# Altium PCB PCB.PcbDoc (part 2 of 10) (continued)
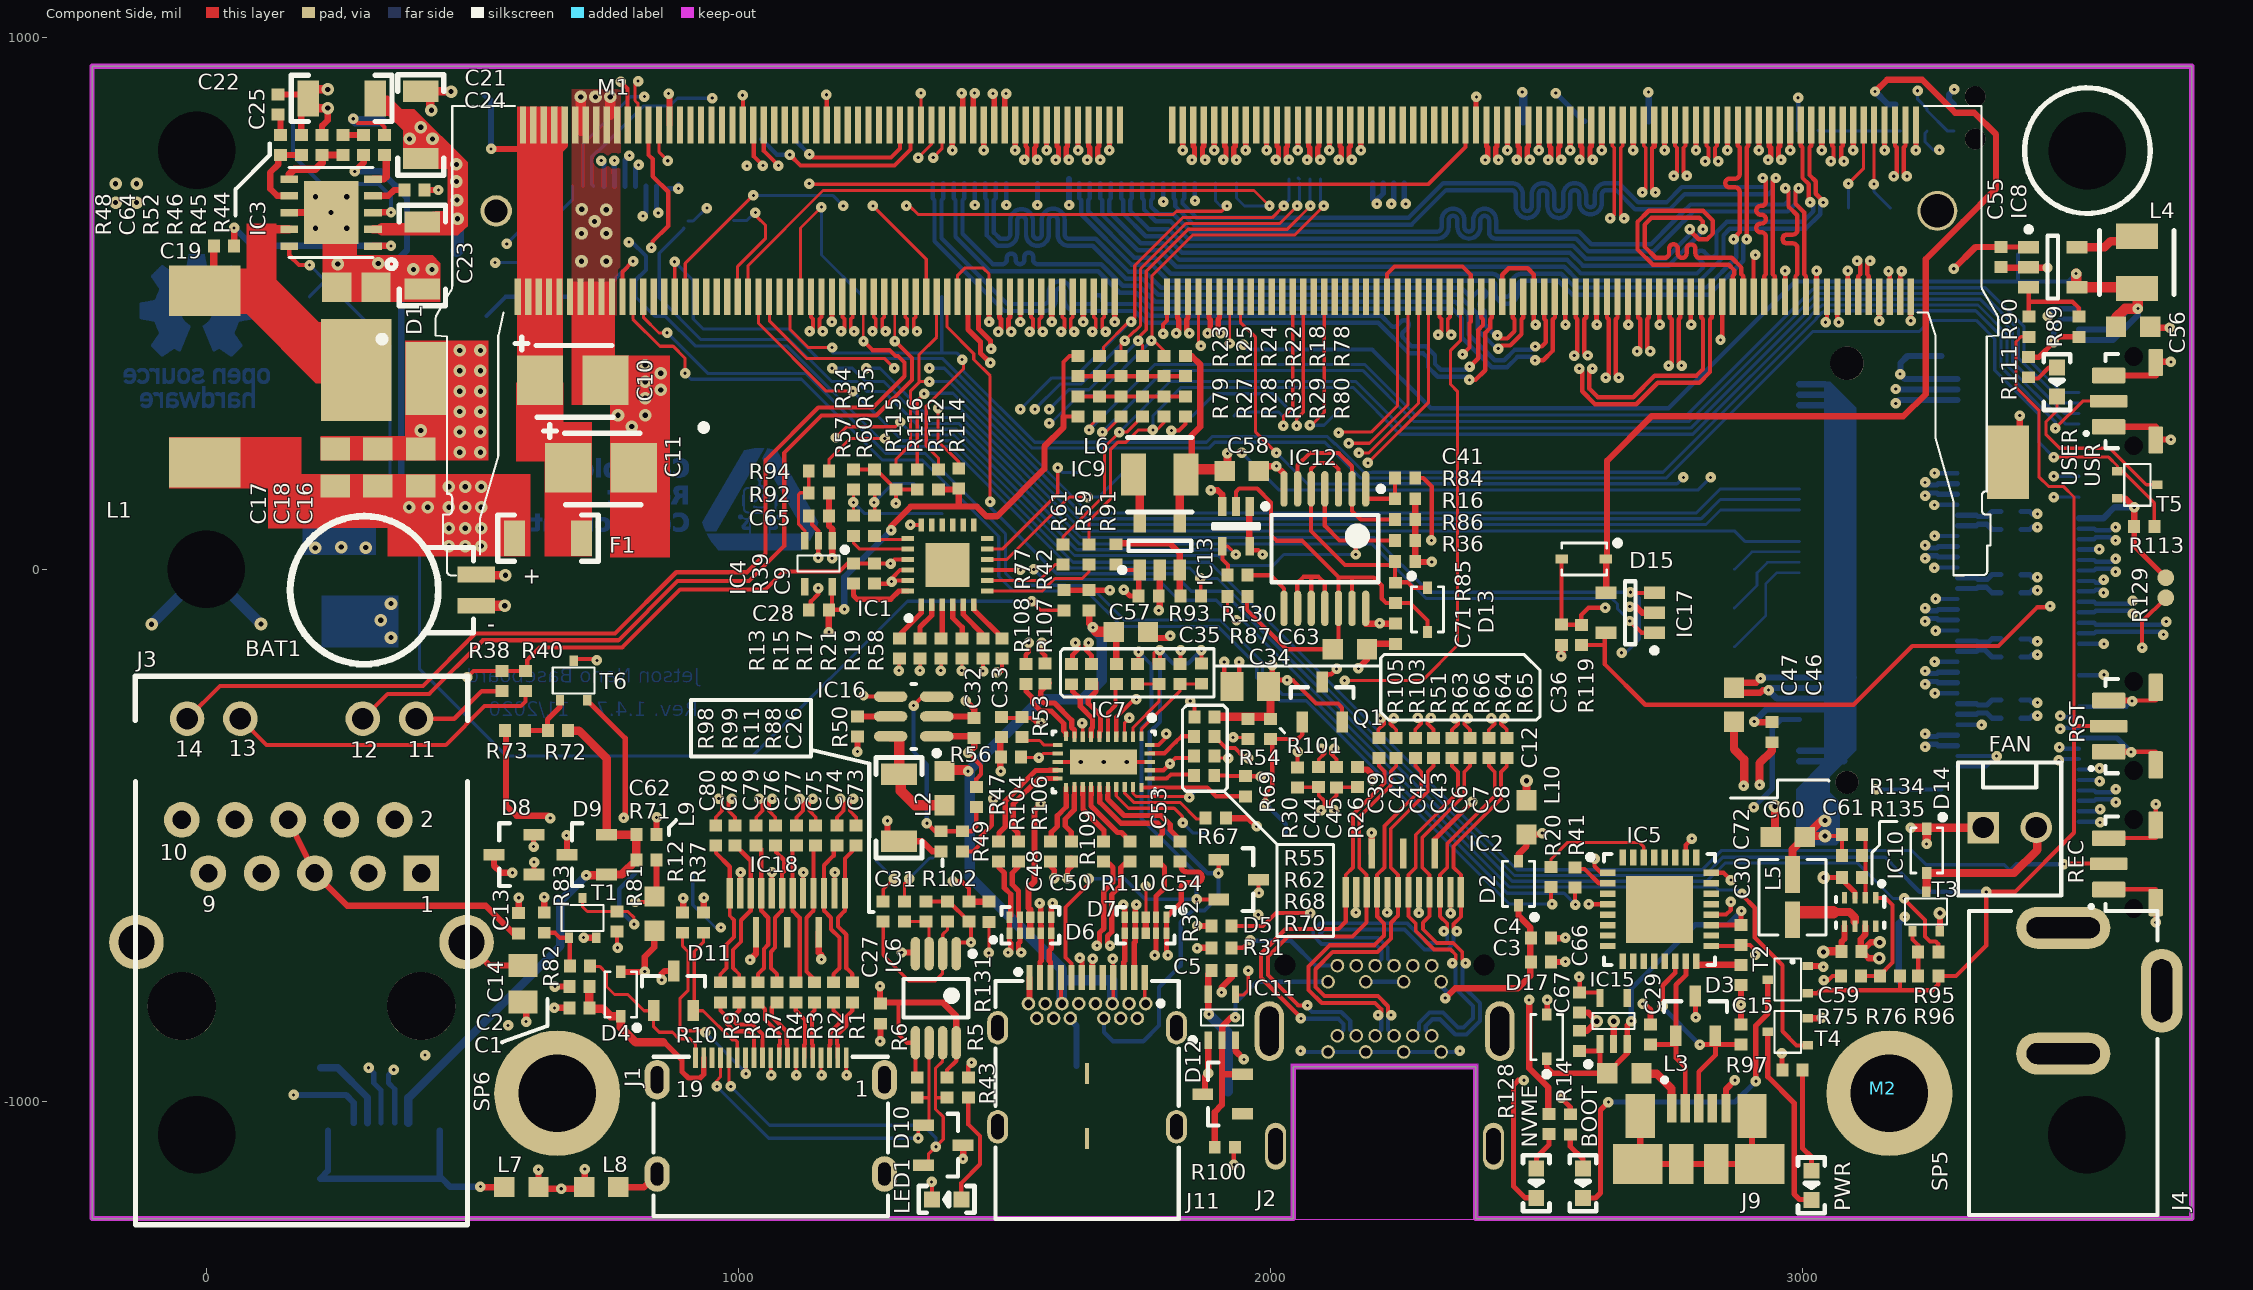
[diagram p0: Component Side view]
#SHUTDOWN_REQ: IC12.4 M1.233 R86.1 TP28.1 | length 2857.2
  Component Side w5.91: M1.233@851.13,835.12 851.13,784.2 v1(867.33,768) ; v1(1183.47,247.89) 1203.77,268.18 1295.51,268.18 v1(1304.33,277)
  Component Side w7.87: IC12.4@2102.33,151.21 2102.33,82 2130.08,54.25 2160.33,54.25 ; v1(2160.33,28) 2160.33,54.25 ; R86.1@2234.43,54.25 2160.33,54.25
  Signal 1 w5.91: v1(542.83,576.56) 547.25,580.99 547.25,619.01 563.24,635.01 614.09,635.01 698.55,550.55 807.51,550.55 880.54,623.58 880.54,693.44 863.32,710.67 v1@863.32,766.97 ; v1(867.33,768) 952.33,768 982.33,738 1040.33,738 1062.72,715.61 1062.72,398.61 1067.14,394.19 1092.19,369.14 1183.47,277.86 v1(1183.47,247.89)
  Solder Side w5.91: v1(542.83,576.56) 597.9,576.56 TP28.1@627.02,605.68 ; v1@867.33,764.17 v1(867.33,768) ; v1(1304.33,277) 1328.68,252.66 1405.3,252.66 1631.95,26 1902.33,26 1921.33,7 2004.33,7 2025.33,28 v1(2160.33,28)
\P\W\R\_\S\E\T\: C41.2 IC12.1 R84.1 | length 113
  Component Side w7.87: IC12.1@2179.1,151.21 2179.1,132.75 R84.1@2234.43,132.75 C41.2@2234.43,172
\PEWAKE_3V3: J8.54 M1.179 | length 2235.1
  Component Side w5.91: v1(1366.33,774) 1382.63,790.3 M1.179@1382.63,835.12
  Signal 1 w5.91: v1(1359.33,378) 1356.5,380.83 1356.5,764.17 v1(1366.33,774)
  Solder Side w5.91: v1(1359.33,378) 1387.13,378 1659.13,106 2800.33,106 2845.39,151.06 J8.54@2994.02,151.06
BT_M2_EN: M1.126
BT_M2_WAKE_AP: M1.124
C_CC1: D5.2 J11.A5 R63.2 R64.2 | length 1141.5
  Component Side w7.09: J11.A5@1626.05,-766.81 1626.05,-740.41 1614.9,-729.26 1614.9,-635.02 1658.34,-591.58 v1(1658.34,-581.5) ; R63.2@1750.37,-177.48 1752.33,-175.52 v1(1752.33,-155) ; R64.2@1830.34,-177.48 1831.33,-176.49 v1(1831.33,-152) ; v1(1861.33,-620) 1861.73,-620.4 D5.2@1902.93,-620.4
  Signal 1 w7.09: v1(1752.33,-155) 1774.02,-176.69 1806.64,-176.69 v1(1831.33,-152)
  Solder Side w7.09: v1(1658.34,-581.5) 1725.67,-581.5 1764.18,-620 v1(1861.33,-620) 1861.33,-572 1757.91,-468.58 1757.91,-298.07 1776.46,-279.52 1776.46,-179.13 v1(1752.33,-155)
C_CC2: D5.1 J11.B5 R65.1 R66.1 | length 1184.1
  Component Side w5.91: R66.1@1781.25,-177.48 1781.25,-156.68 1781.63,-156.3
  Component Side w7.87: R66.1@1790.36,-177.48 1792.33,-175.51 v1(1792.33,-152) ; R65.1@1870.33,-177.1 v1(1870.33,-152) ; v1(1902.33,-571) 1902.93,-570.4 D5.1@1902.93,-545.6
  Solder Side w7.87: J11.B5@1687.07,-843.58 1687.07,-869.81 1703.98,-886.72 1761.17,-886.72 1790.82,-857.07 1790.82,-785.32 1831.39,-744.76 1831.39,-663 1853.39,-641 1876.33,-641 1902.33,-615 v1(1902.33,-571) 1881.99,-571 1773.24,-462.24 1773.24,-305.56 1792.33,-286.46 v1(1792.33,-152) 1817.02,-176.69 1845.64,-176.69 v1(1870.33,-152)
C_PCIE0_RX2_N: J8.17 M1.149 | length 2575.5
  Component Side w9.84: M1.149@1677.9,835.12 1677.9,795.25 1675.44,792.79 1675.44,774.58 v1(1680.36,769.66)
  Signal 3 w7.68: v1(1680.36,769.66) 1674.36,763.66 1674.36,754.78 1898.48,530.66 2201.49,530.66 ccw(c2201.49,538.34) 2209.17,538.34 2209.17,541.88 cw(c2229.44,541.88) 2229.44,562.16 cw(c2229.44,541.88) 2249.72,541.88 2249.72,538.34 ccw(c2257.39,538.34) 2257.39,530.66 ccw(c2257.39,538.34) 2265.07,538.34 2265.07,541.88 cw(c2285.35,541.88) 2285.35,562.16 cw(c2285.35,541.88) 2305.62,541.88 2305.62,538.34 ccw(c2313.3,538.34) 2313.3,530.66 ccw(c2313.3,538.34) 2320.98,538.34 2320.98,541.88 cw(c2341.25,541.88) 2341.25,562.16 cw(c2341.25,541.88) 2361.53,541.88 2361.53,538.34 ccw(c2369.21,538.34) 2369.21,530.66 2848.32,530.66 2932.93,446.05 2932.93,274.44 3086.3,121.07 3086.3,-34.77 3189.78,-138.24 3283.88,-138.24 3296.78,-151.14 3296.78,-195.49 3282.71,-209.57 3236.3,-209.57 v1(3230.3,-215.57)
  Solder Side w9.84: v1(3230.3,-215.57) 3235.22,-210.65 3252.76,-210.65 3255.22,-213.11 J8.17@3291.26,-213.11
C_PCIE0_RX2_P: J8.19 M1.151 | length 2575.5
  Component Side w9.84: v1(1655.76,769.66) 1660.68,774.58 1660.68,792.79 1658.22,795.25 M1.151@1658.22,835.12
  Signal 3 w7.68: v1(1655.76,769.66) 1661.76,763.66 1661.76,749.57 1893.27,518.06 2201.49,518.06 ccw(c2201.49,538.34) 2221.76,538.34 2221.76,541.88 cw(c2229.44,541.88) 2229.44,549.56 cw(c2229.44,541.88) 2237.12,541.88 2237.12,538.34 ccw(c2257.39,538.34) 2257.39,518.06 ccw(c2257.39,538.34) 2277.67,538.34 2277.67,541.88 cw(c2285.35,541.88) 2285.35,549.56 cw(c2285.35,541.88) 2293.02,541.88 2293.02,538.34 ccw(c2313.3,538.34) 2313.3,518.06 ccw(c2313.3,538.34) 2333.58,538.34 2333.58,541.88 cw(c2341.25,541.88) 2341.25,549.56 cw(c2341.25,541.88) 2348.93,541.88 2348.93,538.34 ccw(c2369.21,538.34) 2369.21,518.06 2843.1,518.06 2920.33,440.83 2920.33,269.22 3073.71,115.85 3073.71,-39.98 3143.77,-110.05 3149.2,-115.48 3154.63,-120.91 cw(c3149.2,-126.34) 3154.63,-131.77 3153.3,-133.1 ccw(c3158.73,-138.53) 3153.3,-143.96 ccw(c3158.73,-138.53) 3164.15,-143.96 3165.58,-142.53 cw(c3170.92,-147.87) 3176.25,-142.53 3184.56,-150.84 3277.84,-150.84 3284.18,-157.18 3284.18,-190.27 3277.49,-196.97 3236.3,-196.97 v1(3230.3,-190.96)
  Solder Side w9.84: v1(3230.3,-190.96) 3235.22,-195.88 3252.76,-195.88 3255.22,-193.42 J8.19@3291.26,-193.43
C_PCIE0_TX0_N: C38.1 J8.47 | length 86.5
  Solder Side w9.84: J8.47@3291.26,82.17 3327.22,82.17 3329.68,84.63 3346.45,84.63 3356.22,74.86 C38.1@3372.72,74.86
C_PCIE0_TX0_P: C37.1 J8.49 | length 86.4
  Solder Side w9.84: J8.49@3291.26,101.85 3327.22,101.85 3329.68,99.39 3346.63,99.39 3356.22,108.98 C37.1@3372.72,108.98
C_PCIE0_TX1_N: C51.1 J8.35 | length 86.8
  Solder Side w9.84: J8.35@3291.26,-35.94 3327.22,-35.94 3329.68,-33.48 3345.69,-33.48 3356.22,-44.02 C51.1@3372.72,-44.02
C_PCIE0_TX1_P: C49.1 J8.37 | length 86.2
  Solder Side w9.84: J8.37@3291.26,-16.26 3327.22,-16.26 3329.68,-18.72 3347.13,-18.72 3356.22,-9.63 C49.1@3372.72,-9.63
C_PCIE0_TX2_N: C68.1 J8.23 | length 87.9
  Solder Side w9.84: J8.23@3291.26,-154.06 3327.22,-154.05 3329.68,-151.59 3343.08,-151.59 3356.22,-164.73 C68.1@3372.72,-164.73
C_PCIE0_TX2_P: C52.1 J8.25 | length 85.2
  Solder Side w9.84: J8.25@3291.26,-134.37 3327.22,-134.37 3329.68,-136.83 3349.74,-136.83 3356.22,-130.35 C52.1@3372.72,-130.35
C_PCIE0_TX3_N: C70.1 J8.11 | length 86.6
  Solder Side w9.84: J8.11@3291.26,-272.17 3327.22,-272.16 3329.68,-269.7 3346.25,-269.7 3356.22,-279.67 C70.1@3372.72,-279.67
C_PCIE0_TX3_P: C69.1 J8.13 | length 86.5
  Solder Side w9.84: J8.13@3291.26,-252.48 3327.22,-252.48 3329.68,-254.94 3346.56,-254.94 3356.22,-245.28 C69.1@3372.72,-245.28
C_USBSS_RX1_N: D6.1 J11.B10 R104.2 | length 467.1
  Component Side w9.84: R104.2@1489.87,-544.89 1489.87,-560.71 1500.04,-570.88 1500.04,-598.47 1512.02,-610.45 1512.02,-651.24 D6.1@1509.6,-653.66 D6.1@1509.6,-683.97 1509.6,-700.08 1512.02,-702.5 1512.02,-715.06 v1(1507.1,-719.98)
  Signal 1 w0: 1495.25,-796.04 1496.03,-796.83
  Signal 1 w7.09: 1496.03,-796.83 1496.03,-815.48 1519.48,-838.93 1519.48,-856.03
  Signal 1 w8.66: 1495.25,-796.04 1495.25,-770.64 1512.6,-753.29 1512.6,-725.49 v1(1507.1,-719.98) ; 1519.48,-856.03 1519.48,-867.38 1538.86,-886.76 1571.4,-886.76 1583.67,-874.49 1583.67,-852.5 J11.B10@1592.59,-843.58
C_USBSS_RX1_P: D6.2 J11.B11 R106.2 | length 423
  Component Side w9.84: R106.2@1525.05,-544.4 1525.05,-560.32 1514.88,-570.49 1514.88,-592.32 1526.86,-604.3 1526.86,-651.24 D6.2@1529.28,-653.66 D6.2@1529.28,-683.97 1529.28,-700.08 1526.86,-702.5 1526.86,-715.06 v1(1531.78,-719.98)
  Signal 1 w0: 1508.12,-796.83 1508.91,-796.04
  Signal 1 w7.09: 1508.12,-796.83 1508.12,-810.47 1533.15,-835.49 1533.15,-856.03
  Signal 1 w8.66: 1508.91,-796.04 1508.91,-776.3 1526.26,-758.95 1526.26,-725.5 v1(1531.78,-719.98) ; 1533.15,-856.03 1533.15,-861.72 1544.52,-873.09 1565.74,-873.09 1570.01,-868.83 1570.01,-852.5 J11.B11@1561.09,-843.58
C_USBSS_RX2_N: D7.5 J11.A10 R109.2 | length 439.8
  Component Side w9.84: v1(1673.9,-706.96) 1678.82,-702.04 1678.82,-682.97 1686.99,-674.79 1686.99,-605 1704.09,-587.91 1704.09,-560.58 R109.2@1687.32,-543.82 ; v1(1723.63,-630.03) 1726.13,-632.53 D7.5@1726.13,-653.66 D7.5@1726.13,-683.97 1726.13,-736.22 1724.48,-737.88 J11.A10@1724.48,-766.81
  Signal 1 w8.66: v1(1673.9,-706.96) 1679.41,-701.45 1679.41,-684.42 1696.57,-667.26 1724.92,-667.26 1729.14,-663.04 1729.14,-635.54 v1(1723.63,-630.03)
C_USBSS_RX2_P: D7.4 J11.A11 R110.2 | length 439.8
  Component Side w9.84: v1(1698.58,-706.96) 1693.66,-702.04 1693.66,-689.12 1701.84,-680.94 1701.84,-611.15 1718.93,-594.05 1718.93,-560.58 R110.2@1735.69,-543.82 ; J11.A11@1744.16,-766.81 1744.16,-701.74 1745.82,-700.08 D7.4@1745.82,-683.97 D7.4@1745.82,-653.66 1745.82,-632.53 v1(1748.32,-630.03)
  Signal 1 w8.66: v1(1698.58,-706.96) 1693.07,-701.45 1693.07,-690.08 1702.23,-680.92 1730.58,-680.92 1742.8,-668.7 1742.8,-635.54 v1(1748.32,-630.03)
C_USBSS_RX6_N: IC7.10 R108.2 | length 142.8
  Component Side w9.84: R108.2@1541.09,-213.11 1541.09,-229.22 1553.45,-241.57 1553.45,-251.15 1568.31,-266.02 1588.12,-266.02 1611.69,-289.59 1611.69,-303.2 1615.9,-307.41 IC7.10@1615.9,-313.31
C_USBSS_RX6_P: IC7.9 R107.2 | length 146.1
  Component Side w9.84: R107.2@1584.79,-213.11 1568.29,-229.61 1568.29,-245.01 1574.46,-251.18 1594.27,-251.18 1626.53,-283.44 1626.53,-297.05 1631.64,-302.17 IC7.9@1631.64,-314.49
C_USBSS_TX1_N: C48.1 D6.5 J11.A3 | length 409.4
  Component Side w9.84: J11.A3@1586.68,-766.81 1586.68,-737.88 1584.26,-735.45 1584.26,-716.77 1588.34,-712.69 D6.5@1588.34,-683.97 D6.5@1588.34,-653.66 1588.34,-629.77 v1(1590.84,-627.27) ; C48.1@1588.26,-543.63 1588.26,-559.53 1593.86,-565.14 v1(1593.86,-580.88)
  Signal 1 w8.66: v1(1590.84,-627.27) 1585.32,-632.78 1585.32,-650.65 1616.41,-681.73 1633.41,-681.73 1647.84,-667.29 1647.84,-635.1 1626.98,-614.23 1609.54,-614.23 1599.37,-604.06 1599.37,-585.49 1594.77,-580.88 v1(1593.86,-580.88)
C_USBSS_TX1_P: C50.1 D6.4 J11.A2 | length 454.6
  Component Side w9.84: v1(1566.15,-627.27) 1568.65,-629.77 D6.4@1568.65,-653.66 1568.65,-669.77 1569.42,-670.53 1569.42,-735.45 1566.99,-737.88 J11.A2@1566.99,-766.81 ; v1(1618.55,-580.88) 1618.55,-566.06 1625.87,-558.74 C50.1@1625.87,-542.99
  Signal 1 w8.66: v1(1566.15,-627.27) 1571.66,-632.78 1571.66,-656.31 1606.75,-691.39 1610.75,-695.39 1639.07,-695.39 1643.07,-691.39 1661.5,-672.95 1661.5,-629.44 1632.64,-600.57 1615.2,-600.57 1613.04,-598.41 1613.04,-585.49 1617.64,-580.88 v1(1618.55,-580.88)
C_USBSS_TX2_N: C53.1 D7.2 J11.B3 | length 557.1
  Component Side w9.84: v1(1782.69,-725.27) 1785.19,-722.77 D7.2@1785.19,-683.97 D7.2@1785.19,-653.66 1785.19,-614.18 1800.82,-598.55 1800.82,-560.58 C53.1@1784.06,-543.82
  Signal 1 w7.09: 1773.9,-874 1794.29,-853.61 1794.29,-834.7 1799.16,-829.83 1799.16,-824.27 1809.79,-813.64
  Signal 1 w8.66: J11.B3@1718.57,-843.58 1727.49,-852.5 1727.49,-867.41 1743.52,-883.44 1764.46,-883.44 1773.9,-874 ; v1(1782.69,-725.27) 1788.2,-719.76 1788.2,-706.65 1802.9,-691.95 1820.95,-691.95 1839.53,-710.53 1839.53,-783.9 1809.79,-813.64
C_USBSS_TX2_P: C54.1 D7.1 J11.B2 | length 520.1
  Component Side w9.84: D7.1@1804.87,-653.66 D7.1@1804.87,-683.97 1804.87,-722.77 v1(1807.37,-725.27) ; D7.1@1808.81,-649.13 1832.43,-625.51 1832.43,-598.27 cw(c1842.35,-598.27) 1842.35,-588.34 1861.88,-588.34 ccw(c1861.88,-578.42) 1871.8,-578.42 ccw(c1861.88,-578.42) 1861.88,-568.5 1842.35,-568.5 cw(c1842.35,-558.58) 1832.43,-558.58 C54.1@1832.43,-543.82
  Signal 1 w7.09: 1766.04,-862.53 1781.09,-847.49 1781.09,-830.81 1787.07,-824.83 1787.07,-817.04 1803.67,-800.44
  Signal 1 w8.66: J11.B2@1750.07,-843.58 1741.15,-852.5 1741.15,-861.75 1749.18,-869.78 1758.8,-869.78 1766.04,-862.53 ; 1803.67,-800.44 1825.87,-778.24 1825.87,-716.19 1815.29,-705.61 1808.56,-705.61 1801.86,-712.31 1801.86,-719.76 v1(1807.37,-725.27)
C_USBSS_TX6_N: IC7.7 R105.2 | length 118
  Component Side w9.84: R105.2@1628.49,-213.11 1628.49,-229.22 1642.83,-243.55 1642.83,-257.68 1665.9,-280.74 1665.9,-297.05 1663.14,-299.81 IC7.7@1663.14,-314.49
C_USBSS_TX6_P: IC7.6 R103.2 | length 117.7
  Component Side w9.84: R103.2@1672.19,-213.11 1672.19,-229.22 1657.67,-243.74 1657.67,-251.53 1680.74,-274.6 1680.74,-303.2 1678.89,-305.05 IC7.6@1678.89,-314.49
CAM0_SCL: J6.40 R15.1 R24.2 | length 1395.9
  Component Side w5.91: v1(1341.19,-190.29) 1341.94,-189.54 R15.1@1341.94,-167.74 ; R24.2@1719.13,400.9 1719.13,422.8 v1(1726.33,430) 1726.33,430.06 1743.99,447.72 1745.49,447.72 1755.87,458.1 1755.87,472.77 1755.87,564.85 1841.19,650.17 2017.56,650.17 v1(2050.33,683) v1(2050.33,683)
  Signal 2 w5.91: v1(1341.19,-190.29) 1341.19,-155.77 1379.33,-117.63 1379.33,123 v1(1557.33,301)
  Solder Side w5.91: v1(1557.33,301) 1604.86,348.54 1644.86,348.54 v1(1726.33,430) ; v1@2050.33,684 2054.53,688.21 J6.40@2054.53,725.63 ; J6.40@2052.43,735.61 J6.40@2054.53,733.51
CAM0_SDA: J6.39 R13.1 R25.2 | length 1465.1
  Component Side w5.91: v1(1301.82,-190.29) 1302.57,-189.54 R13.1@1302.57,-167.74 ; R25.2@1678.73,400.9 1686.33,408.5 1686.33,418 1733.76,465.43 v1(1738.15,465.43) 1745.04,472.32 1745.04,571.14 1834.9,661 2003.33,661 v1(2025.33,683)
  Signal 2 w5.91: v1(1301.82,-190.29) 1301.82,-171.09 1367.33,-105.58 1367.33,130 1530.33,293 v1(1530.33,301)
  Solder Side w5.91: v1(1530.33,301) 1589.33,360 1631.27,360 1736.71,465.43 v1(1738.15,465.43) ; v1@2025.33,684 2025.33,684.62 2034.85,694.15 J6.39@2034.85,725.63 J6.39@2034.85,733.51
CAM1_SCL: J6.42 R18.2 R21.1 | length 1417.7
  Component Side w5.91: v1(1419.93,-190.29) 1420.68,-189.54 R21.1@1420.68,-167.74 ; R18.2@1799.93,400.9 1799.93,411.4 1781.33,430 v1(1776.33,430) 1777.52,431.19 1777.52,551.99 1854.05,628.52 2045.9,628.52 v1(2100.33,683) v1(2100.33,683)
  Signal 2 w5.91: v1(1419.93,-190.29) 1429.33,-180.89 1429.33,138.14 1553.19,262 1571.33,262 v1(1584.33,275)
  Solder Side w5.91: v1(1584.33,275) 1587.64,275 1639.53,326.88 1673.27,326.88 v1(1776.33,430) v1(1776.33,430) ; J6.42@2093.9,733.51 J6.42@2093.9,725.63 2093.9,688.48 v1@2099.71,682.68
CAM1_SDA: J6.41 R17.1 R22.2 | length 1403.5
  Component Side w5.91: v1(1380.56,-190.29) 1381.31,-189.54 R17.1@1381.31,-167.74 ; R22.2@1759.53,400.9 1759.53,421.75 v1(1751.33,430) v1(1751.33,430) 1751.33,435 1766.69,450.37 1766.69,560.37 1845.68,639.35 2031.73,639.35 v1(2075.33,683) v1(2075.33,683)
  Signal 2 w5.91: v1(1380.56,-190.29) 1380.56,-148.88 1418.33,-111.11 1418.33,142.45 1465.14,189.27 1465.14,190 1550.14,275 1558.33,275 v1(1584.33,301)
  Solder Side w5.91: v1(1584.33,301) 1584.33,301.21 1620.82,337.71 1659.09,337.71 v1(1751.33,430) v1(1751.33,430) ; J6.41@2074.22,733.51 J6.41@2074.22,725.63 2074.22,684.1 v1@2075.28,683.04
CAM2_SCL: J7.42 R27.2 R58.1 | length 2776.7
  Component Side w5.91: v1(1659.33,262) 1659.33,267.7 R27.2@1678.73,287.1
  Component Side w7.87: v1(1485.33,-192.95) 1492.98,-192.95 1495.55,-190.38 1495.55,-167.8 R58.1@1495.49,-167.74
  Signal 1 w5.91: v1(1485.33,-192.95) v1@1492.98,-192.95
  Signal 2 w5.91: v1(1485.33,-192.95) 1485.33,44.13 1580.2,139 1580.2,204.87 1637.33,262 v1(1659.33,262)
  Solder Side w5.91: v1(1659.33,262) 1782.16,384.83 2177.81,384.83 2272.64,290 2782.68,290 2982.53,489.85 3018.28,525.61 3019.69,525.61 3023.37,529.29 3343.29,529.29 3416.64,455.94 3416.64,402.69 3486.77,332.56 J7.42@3519.48,332.56
CAM2_SDA: J7.41 R19.1 R28.2 | length 2821.2
  Component Side w5.91: v1(1684.33,258) 1690.23,258 R28.2@1719.33,287.1
  Component Side w7.87: v1(1460.04,-191.2) R19.1@1460.05,-167.74
  Signal 2 w5.91: v1(1460.04,-191.2) 1460.04,-171.28 1473.33,-158 1473.33,49 1567.33,143 1567.33,208 1641.33,282 1676.33,282 1684.33,274 v1(1684.33,258)
  Solder Side w5.91: v1(1684.33,258) 1800.33,374 2173.33,374 2269.33,278 2787.33,278 2993.36,484.03 2993.36,485.37 3022.76,514.78 3024.17,514.78 3027.86,518.46 3338.8,518.46 3405.81,451.46 3405.81,397.52 3490.45,312.88 J7.41@3519.48,312.88
CAM3_SCL: J7.40 R33.2 R61.1 | length 2411.5
  Component Side w5.91: R61.1@1610.33,46.9 1610.33,61 1688.33,139 1688.33,230 v1(1716.33,258) 1730.23,258 R33.2@1759.33,287.1
  Solder Side w5.91: v1(1716.33,258) 1811.33,353 2160.33,353 2247.33,266 2790.71,266 3004.18,479.48 3004.18,480.89 3027.25,503.95 3028.66,503.95 3032.34,507.64 3334.32,507.64 3394.98,446.97 3394.98,390.35 3492.14,293.19 J7.40@3519.48,293.19
CAM3_SDA: J7.39 R29.2 R59.1 | length 2381.9
  Component Side w5.91: R59.1@1659.33,46.9 1659.33,92 1699.33,132 1699.33,225 1713.33,239 1728.33,239 1751.33,262 v1(1779.33,262) 1786.33,262 1799.91,275.58 R29.2@1799.91,287.1
  Solder Side w5.91: v1(1779.33,262) 1779.33,289 1832.33,342 2155.33,342 2243.33,254 2794.02,254 3015.01,475 3015.01,476.41 3031.73,493.13 3033.14,493.13 3036.83,496.81 3329.83,496.81 3384.16,442.49 3384.16,384.04 3486.16,282.04 3486.16,281.17 3493.82,273.51 J7.39@3519.48,273.51
CAM_I2C_SCL: M1.213 R35.2 R60.2 TP10.1 | length 933.5
  Component Side w5.91: R60.2@1256.33,100.9 R35.2@1256.33,150.1
  Component Side w7.87: M1.213@1047.98,835.12 1047.98,786.35 v1(1075.33,759)
  Signal 1 w5.91: v1(1075.33,759) 1084.37,749.96 1084.37,422 1229.99,276.38 1229.99,151.34 v1(1255.33,126)
  Solder Side w5.91: v1(1255.33,126) 1290.59,161.26 TP10.1@1330.02,161.26
CAM_I2C_SDA: M1.215 R34.2 R57.2 TP1.1 | length 1012
  Component Side w5.91: R57.2@1216.33,100.9 v1(1216.33,126) R34.2@1216.33,150.1
  Component Side w7.87: M1.215@1028.3,835.12 1029.19,834.23 1029.19,776.14 v1(1046.33,759)
  Signal 1 w5.91: v1(1046.33,759) 1073.54,731.79 1073.54,417.51 1216.33,274.73 v1(1216.33,126)
  Solder Side w5.91: v1(1216.33,126) 1237.63,104.7 1382.76,104.7 TP1.1@1383.12,105.07
CC1: IC7.2 R63.1 R66.2 | length 159.3
  Component Side w5.91: IC7.2@1741.88,-314.49 1741.88,-297.45 1790.36,-248.97 R66.2@1790.36,-215.27 R63.1@1750.37,-215.27
CC2: IC7.1 R64.1 R65.2 | length 168.3
  Component Side w5.91: IC7.1@1757.63,-313.31 1757.63,-300.76 1830.34,-228.04 R64.1@1830.34,-215.27 1869.95,-215.27 R65.2@1870.33,-214.9
CSI_A_CLK_N: J7.28 M1.10 | length 1701.5
  Component Side w8.27: M1.10@3124.76,512.29 3124.75,551.25 3121.51,554.5 3121.51,574.1 v1(3127.22,579.81)
  Signal 2 w5.43: v1(3127.22,579.81) 3120.09,586.94 3120.09,596.97 3133.09,609.97 3221.87,609.97 3244.97,586.87 3244.97,543.18 3228.96,527.17 3228.96,467.6 3249.72,446.84 3267.21,446.84 ccw(c3267.21,462.63) 3283,462.63 3283,504.37 cw(c3288.44,504.37) 3288.44,509.81 cw(c3288.44,504.37) 3293.87,504.37 3293.87,400.71 ccw(c3309.66,400.71) 3309.66,384.92 ccw(c3309.66,400.71) 3325.44,400.71 3325.44,441.41 cw(c3330.88,441.41) 3330.88,446.84 cw(c3330.88,441.41) 3336.31,441.41 3336.31,400.71 ccw(c3352.1,400.71) 3352.1,384.92 ccw(c3352.1,400.71) 3367.89,400.71 3367.89,441.41 cw(c3373.32,441.41) 3373.32,446.84 cw(c3373.32,441.41) 3378.75,441.41 3378.75,400.71 ccw(c3394.54,400.71) 3394.54,384.92 ccw(c3394.54,400.71) 3410.33,400.71 3410.33,441.41 cw(c3415.76,441.41) 3415.76,446.84 cw(c3415.76,441.41) 3421.19,441.41 3421.19,400.71 ccw(c3436.98,400.71) 3436.98,384.92 ccw(c3436.98,400.71) 3452.77,400.71 3452.77,441.41 cw(c3458.2,441.41) 3458.2,446.84 3512.42,446.84 3544.42,414.85 3544.42,386.11 3544.42,380.67 3544.42,375.24 cw(c3538.98,375.24) 3538.98,369.81 3536.61,369.81 ccw(c3536.61,364.37) 3531.17,364.37 ccw(c3536.61,364.37) 3536.61,358.94 3538.98,358.94 cw(c3538.98,353.51) 3544.42,353.51 3544.42,342.86 3544.42,83.39 3566.17,61.64 3576.56,61.64 v1@3583.69,54.51
  Solder Side w8.27: J7.28@3519.48,56.97 3548.22,56.97 3551.47,60.22 3577.98,60.22 v1@3583.69,54.51
  other v1: 3588.32,54.51
CSI_A_CLK_P: J7.29 M1.12 | length 1701.5
  Component Side w8.27: v1(3102.61,579.81) 3108.32,574.1 3108.32,554.5 3105.07,551.25 M1.12@3105.07,512.29
  Signal 2 w5.43: v1(3102.61,579.81) 3109.73,586.94 3109.73,601.26 3128.8,620.32 3226.16,620.32 3255.33,591.16 3255.33,538.9 3239.32,522.88 3239.32,471.89 3254.01,457.2 3267.21,457.2 ccw(c3267.21,462.63) 3272.65,462.63 3272.65,504.37 cw(c3288.44,504.37) 3288.44,520.16 cw(c3288.44,504.37) 3304.22,504.37 3304.22,400.71 ccw(c3309.66,400.71) 3309.66,395.27 ccw(c3309.66,400.71) 3315.09,400.71 3315.09,441.41 cw(c3330.88,441.41) 3330.88,457.2 cw(c3330.88,441.41) 3346.66,441.41 3346.66,400.71 ccw(c3352.1,400.71) 3352.1,395.27 ccw(c3352.1,400.71) 3357.53,400.71 3357.53,441.41 cw(c3373.32,441.41) 3373.32,457.2 cw(c3373.32,441.41) 3389.11,441.41 3389.11,400.71 ccw(c3394.54,400.71) 3394.54,395.27 ccw(c3394.54,400.71) 3399.97,400.71 3399.97,441.41 cw(c3415.76,441.41) 3415.76,457.2 cw(c3415.76,441.41) 3431.55,441.41 3431.55,400.71 ccw(c3436.98,400.71) 3436.98,395.27 ccw(c3436.98,400.71) 3442.41,400.71 3442.41,441.41 cw(c3458.2,441.41) 3458.2,457.2 3516.71,457.2 3554.77,419.14 3554.77,87.68 3570.46,71.99 3576.56,71.99 v1@3583.69,79.12
  Solder Side w8.27: J7.29@3519.48,76.66 3548.22,76.66 3551.47,73.41 3577.98,73.41 v1@3583.69,79.12
  other v1: 3588.32,79.12
CSI_A_D0_N: J7.25 M1.4 | length 1701.5
  Component Side w8.27: M1.4@3183.81,512.29 3183.81,558.1 v1(3186.27,560.56)
  Signal 2 w5.43: v1(3186.27,560.56) 3179.14,567.69 3179.14,572.13 3181.9,574.88 3207.71,574.88 3216.64,565.95 3216.64,544.14 3168.01,495.51 3168.01,413.93 3222.93,359.02 3243.75,359.02 ccw(c3243.75,374.8) 3259.54,374.8 3259.54,404.67 cw(c3264.98,404.67) 3264.98,410.1 cw(c3264.98,404.67) 3270.41,404.67 3270.41,287.9 ccw(c3286.2,287.9) 3286.2,272.12 ccw(c3286.2,287.9) 3301.98,287.9 3301.98,353.58 cw(c3307.42,353.58) 3307.42,359.02 cw(c3307.42,353.58) 3312.85,353.58 3312.85,287.9 ccw(c3328.64,287.9) 3328.64,272.12 ccw(c3328.64,287.9) 3344.43,287.9 3344.43,353.58 cw(c3349.86,353.58) 3349.86,359.02 cw(c3349.86,353.58) 3355.29,353.58 3355.29,287.9 ccw(c3371.08,287.9) 3371.08,272.12 ccw(c3371.08,287.9) 3386.87,287.9 3386.87,353.58 cw(c3392.3,353.58) 3392.3,359.02 3496.06,359.02 3519.18,335.9 3519.18,280.83 3519.18,275.39 3519.18,269.96 cw(c3513.74,269.96) 3513.74,264.53 3511.37,264.53 ccw(c3511.37,259.09) 3505.93,259.09 ccw(c3511.37,259.09) 3511.37,253.66 3513.74,253.66 cw(c3513.74,248.23) 3519.18,248.23 3519.18,237.79 3519.18,28.6 3545.19,2.58 3581.19,2.58 v1(3588.32,-4.54)
  Solder Side w8.27: J7.25@3519.48,-2.08 3548.22,-2.08 3551.46,1.17 3582.61,1.17 v1(3588.32,-4.54)
CSI_A_D0_P: J7.26 M1.6 | length 1701.5
  Component Side w8.27: v1(3161.66,560.56) 3164.12,558.1 M1.6@3164.13,512.29
  Signal 2 w5.43: v1(3161.66,560.56) 3168.79,567.69 3168.79,576.41 3177.61,585.24 3212,585.24 3227,570.24 3227,539.85 3178.37,491.22 3178.37,418.22 3227.22,369.37 3243.75,369.37 ccw(c3243.75,374.8) 3249.19,374.8 3249.19,404.67 cw(c3264.98,404.67) 3264.98,420.46 cw(c3264.98,404.67) 3280.76,404.67 3280.76,287.9 ccw(c3286.2,287.9) 3286.2,282.47 ccw(c3286.2,287.9) 3291.63,287.9 3291.63,353.58 cw(c3307.42,353.58) 3307.42,369.37 cw(c3307.42,353.58) 3323.2,353.58 3323.2,287.9 ccw(c3328.64,287.9) 3328.64,282.47 ccw(c3328.64,287.9) 3334.07,287.9 3334.07,353.58 cw(c3349.86,353.58) 3349.86,369.37 cw(c3349.86,353.58) 3365.65,353.58 3365.65,287.9 ccw(c3371.08,287.9) 3371.08,282.47 ccw(c3371.08,287.9) 3376.51,287.9 3376.51,353.58 cw(c3392.3,353.58) 3392.3,369.37 3500.35,369.37 3529.53,340.19 3529.53,32.89 3549.48,12.94 3581.19,12.94 v1(3588.32,20.06)
  Solder Side w8.27: J7.26@3519.48,17.6 3548.22,17.6 3551.46,14.35 3582.61,14.35 v1(3588.32,20.06)
CSI_A_D1_N: J7.23 M1.16 | length 1701.5
  Component Side w8.27: M1.16@3065.7,512.29 3065.7,467.04 v1(3068.16,464.58)
  Signal 2 w5.43: v1(3068.16,464.58) 3061.03,471.71 3061.03,481.69 3070.54,491.2 3098.04,491.2 3109.2,480.04 3109.2,440.76 3139.31,410.64 3139.31,267.19 3171.13,235.38 3194.39,235.38 ccw(c3194.39,251.17) 3210.18,251.17 3210.18,329.38 cw(c3215.61,329.38) 3215.61,334.81 cw(c3215.61,329.38) 3221.05,329.38 3221.05,216.87 ccw(c3236.83,216.87) 3236.83,201.08 ccw(c3236.83,216.87) 3252.62,216.87 3252.62,229.95 cw(c3258.06,229.95) 3258.06,235.38 cw(c3258.06,229.95) 3263.49,229.95 3263.49,197.86 ccw(c3279.28,197.86) 3279.28,182.07 ccw(c3279.28,197.86) 3295.06,197.86 3295.06,229.95 cw(c3300.5,229.95) 3300.5,235.38 cw(c3300.5,229.95) 3305.93,229.95 3305.93,174.91 ccw(c3321.72,174.91) 3321.72,159.12 ccw(c3321.72,174.91) 3337.5,174.91 3337.5,229.95 cw(c3342.94,229.95) 3342.94,235.38 cw(c3342.94,229.95) 3348.37,229.95 3348.37,174.91 ccw(c3364.16,174.91) 3364.16,159.12 ccw(c3364.16,174.91) 3379.95,174.91 3379.95,229.95 cw(c3385.38,229.95) 3385.38,235.38 3475.67,235.38 3493.51,217.54 3493.51,-5.89 3497.82,-10.21 3501.67,-14.05 3505.51,-17.89 cw(c3501.67,-21.73) 3505.51,-25.57 3503.83,-27.25 ccw(c3507.67,-31.1) 3503.83,-34.94 ccw(c3507.67,-31.1) 3511.51,-34.94 3513.19,-33.26 cw(c3517.03,-37.1) 3520.87,-33.26 3524.4,-36.79 3558.73,-36.79 v1(3565.86,-43.91)
  Solder Side w8.27: J7.23@3519.48,-41.45 3548.22,-41.45 3551.46,-38.2 3560.15,-38.2 v1(3565.86,-43.91)
CSI_A_D1_P: J7.24 M1.18 | length 1701.5
  Component Side w8.27: v1(3043.55,464.58) 3046.01,467.04 M1.18@3046.02,512.29
  Signal 2 w5.43: v1(3043.55,464.58) 3050.68,471.71 3050.68,485.98 3066.25,501.55 3102.33,501.55 3119.55,484.33 3119.55,445.05 3149.67,414.93 3149.67,271.48 3175.42,245.73 3194.39,245.73 ccw(c3194.39,251.17) 3199.83,251.17 3199.83,329.38 cw(c3215.61,329.38) 3215.61,345.17 cw(c3215.61,329.38) 3231.4,329.38 3231.4,216.87 ccw(c3236.83,216.87) 3236.83,211.44 ccw(c3236.83,216.87) 3242.27,216.87 3242.27,229.95 cw(c3258.06,229.95) 3258.06,245.73 cw(c3258.06,229.95) 3273.84,229.95 3273.84,197.86 ccw(c3279.28,197.86) 3279.28,192.42 ccw(c3279.28,197.86) 3284.71,197.86 3284.71,229.95 cw(c3300.5,229.95) 3300.5,245.73 cw(c3300.5,229.95) 3316.28,229.95 3316.28,174.91 ccw(c3321.72,174.91) 3321.72,169.48 ccw(c3321.72,174.91) 3327.15,174.91 3327.15,229.95 cw(c3342.94,229.95) 3342.94,245.73 cw(c3342.94,229.95) 3358.73,229.95 3358.73,174.91 ccw(c3364.16,174.91) 3364.16,169.48 ccw(c3364.16,174.91) 3369.59,174.91 3369.59,229.95 cw(c3385.38,229.95) 3385.38,245.73 3479.96,245.73 3503.87,221.83 3503.87,-1.61 3528.69,-26.43 3558.73,-26.43 v1(3565.86,-19.31)
  Solder Side w8.27: J7.24@3519.48,-21.77 3548.22,-21.77 3551.46,-25.02 3560.15,-25.02 v1(3565.86,-19.31)
CSI_B_D0_N: J7.21 M1.3 | length 1702.3
  Component Side w8.27: M1.3@3193.65,835.12 3193.65,796.25 3190.4,793.01 3190.4,744.58 v1(3196.11,738.87)
  Signal 2 w5.43: v1(3196.11,738.87) 3188.99,746 3188.99,757.16 3190.86,759.03 3267.26,759.03 3314.13,712.16 3314.13,514.37 3334.03,494.47 3514.17,494.47 3521.76,486.88 3532.58,476.06 cw(c3528.74,472.22) 3532.58,468.38 3530.9,466.7 ccw(c3534.74,462.86) 3530.9,459.02 ccw(c3534.74,462.86) 3538.58,459.02 3540.26,460.7 cw(c3544.1,456.85) 3547.95,460.7 3570.12,438.52 3570.12,379.73 ccw(c3585.91,379.73) 3585.91,363.94 3599.89,363.94 cw(c3599.89,358.51) 3605.33,358.51 cw(c3599.89,358.51) 3599.89,353.07 3585.91,353.07 ccw(c3585.91,337.29) 3570.12,337.29 ccw(c3585.91,337.29) 3585.91,321.5 3599.89,321.5 cw(c3599.89,316.07) 3605.33,316.07 cw(c3599.89,316.07) 3599.89,310.63 3585.91,310.63 ccw(c3585.91,294.84) 3570.12,294.84 ccw(c3585.91,294.84) 3585.91,279.06 3599.89,279.06 cw(c3599.89,273.62) 3605.33,273.62 cw(c3599.89,273.62) 3599.89,268.19 3585.91,268.19 ccw(c3585.91,252.4) 3570.12,252.4 3570.12,212.8 ccw(c3585.91,212.8) 3585.91,197.01 3599.89,197.01 cw(c3599.89,191.58) 3605.33,191.58 cw(c3599.89,191.58) 3599.89,186.14 3585.91,186.14 ccw(c3585.91,170.36) 3570.12,170.36 ccw(c3585.91,170.36) 3585.91,154.57 3599.89,154.57 cw(c3599.89,149.14) 3605.33,149.14 cw(c3599.89,149.14) 3599.89,143.7 3588.42,143.7 ccw(c3588.42,125.77) 3570.48,125.77 3570.48,117.89 3591.77,96.6 3595.56,96.6 3612.64,79.51 3612.64,-13.11 3589.65,-36.11 3589.65,-61.68 3604.13,-76.16 3613.25,-76.16 v1(3620.38,-83.28)
  Solder Side w8.27: J7.21@3519.48,-80.82 3548.22,-80.82 3551.46,-77.57 3614.67,-77.57 v1(3620.38,-83.28)